# Altium PCB RCJ22_motherboard_2_final.PcbDoc (part 2 of 4) (continued)
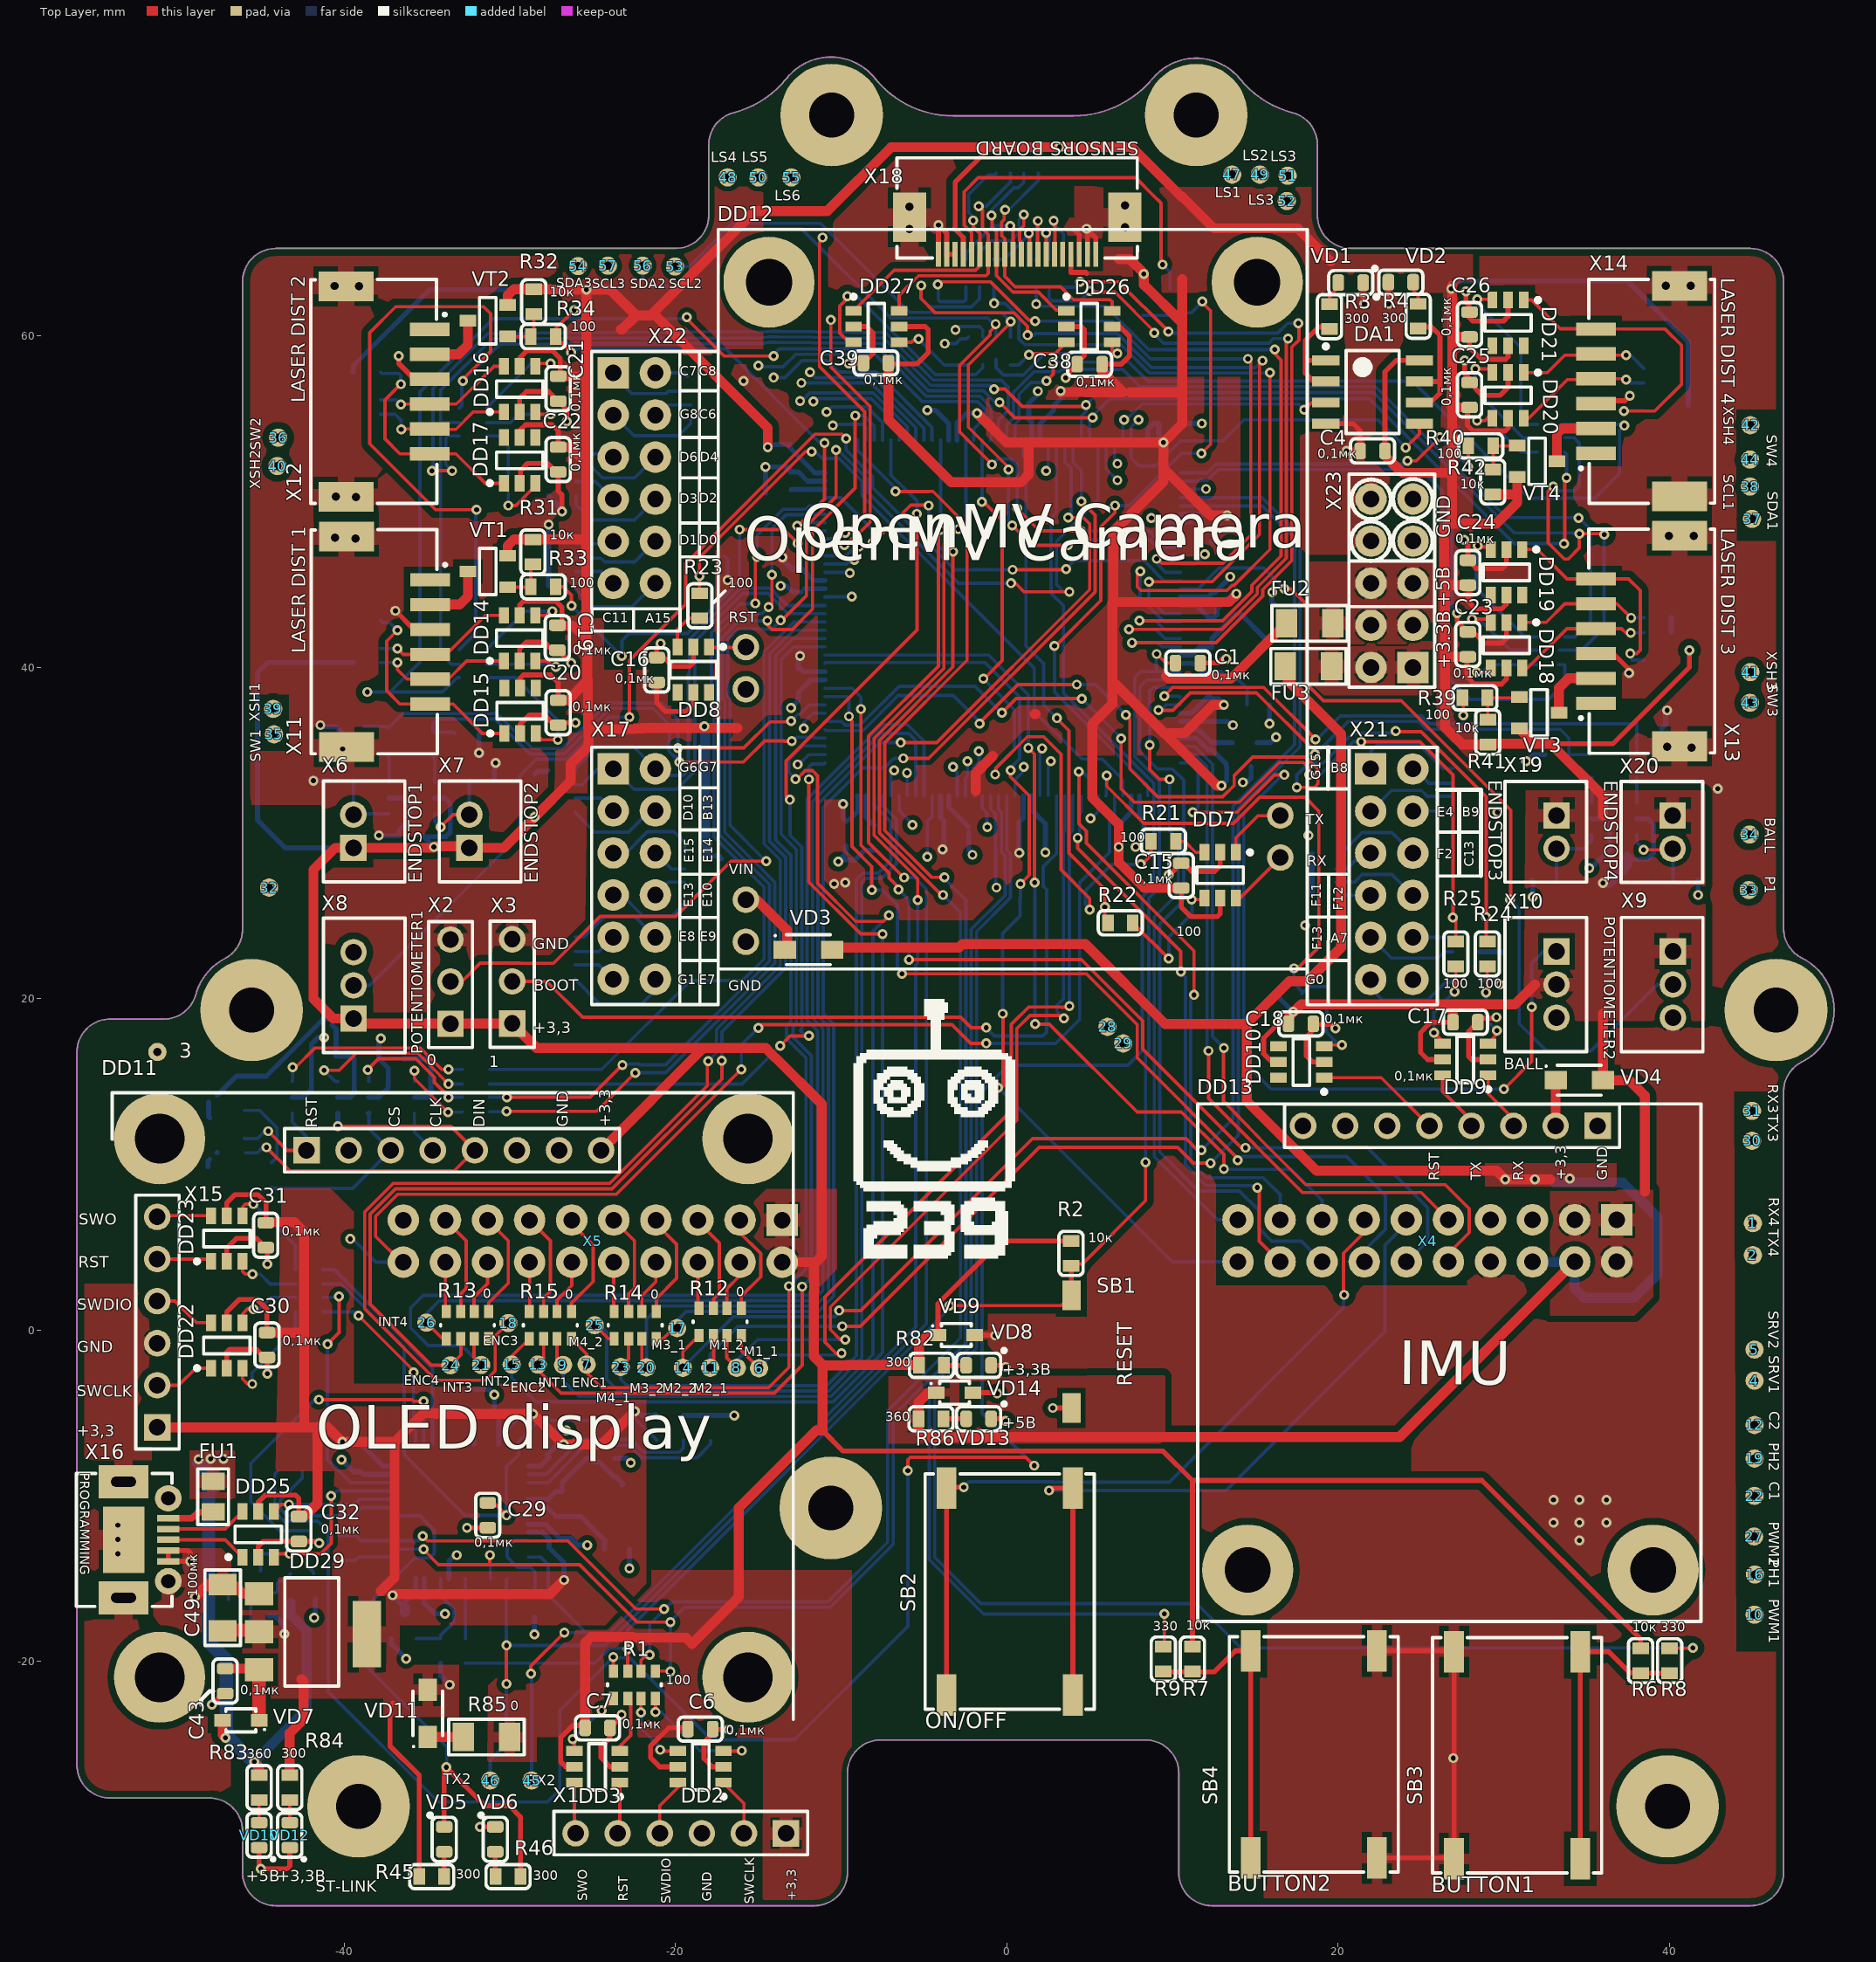
[diagram p0: Top Layer view]
## Nets (pads, with @x,y where several pads share a name; then routed paths per layer and width w, separated by ;. In a path a pad name is that pad's centre, name@x,y a point inside that pad or via, vN(x,y) a via of type N, cw(c..) or ccw(c..) an arc to the next point about the centre after c; other vN are vias at no path point) (continued)
  other v1: 26.95,-25.825 -53.65,-13.5 34.553,-12.698 -53.65,-12.625 -53.65,-11.775 32.992,-11.62 34.553,-11.62 36.19,-11.62 32.992,-10.248 34.553,-10.248 36.19,-10.248 29.768,20.85 17.999,24.417 18.206,29.85 29.6,31.244 42.9,32.675 14.25,33.05 -40.083,35.07 16.243,35.775 15.85,36.588 -15.894,57.275
  other v2: 41.325,35.15 39.85,35.2 -39.3,47.773 -40.55,47.802 39.95,47.925 41.45,47.925 -39.275,50.273 -40.5,50.3 -39.1,62.975 -40.575,63 39.775,63.025 41.275,63.025 -5.875,66.435 7.125,66.533 -5.875,67.785 7.125,67.85
MCU_BALL_DISTANCE: 34.1 DD1.36 X10.1 | length 70.8
  Top Layer w0.2: v1(11.226,31.244) 13.893,31.244 16.149,33.5 v1(16.75,33.5) ; v1(30,14.539) 31.675,16.214 v1(31.675,19.5)
  Signal Layer 1 w0.2: X10.1@33.175,22.85 35.375,25.05 41.375,25.05 44.825,28.5 34.1@44.825,29.9
  Bottom Layer w0.2: DD1.36@10.475,34.225 11.325,34.225 11.541,34.009 11.541,31.559 v1(11.226,31.244) ; v1(16.75,33.5) 16.675,33.5 16.65,33.525 14.3,31.175 14.3,16.2 15.961,14.539 v1(30,14.539) ; v1(31.675,19.5) 31.675,22.125 32.4,22.85 X10.1@33.175,22.85
MCU_BOOT0: DD1.138 X2.2 | length 80.7
  Top Layer w0.2: X2.2@-33.575,21.025 -32.9,21.025 -31.785,22.14 -29.394,22.14 -29.379,22.125 -27.375,22.125 -24.54,24.96 -19.981,24.96 -16.645,28.297 v1(-14.523,28.297) ; v1(-13.65,42.825) -13.578,42.825 -12.1,44.303 -12.1,48.5 -10.299,50.301 v1(-10.301,53.113) v1(-10.301,53.113) ; v1(0.25,45.065) 0.387,45.202 1.039,44.55 v1(3.775,44.55)
  Bottom Layer w0.2: v1(-14.523,28.297) -14.547,28.297 -16.7,30.45 -16.7,38.065 -16.849,38.214 -16.849,41.666 -16.205,42.31 -14.701,42.31 -14.668,42.277 -14.233,42.277 -14.2,42.31 -14.165,42.31 v1(-13.65,42.825) ; v1(-10.301,53.113) -10.192,53.113 -9.992,52.913 -9.986,52.913 -8.425,51.352 -8.425,50.58 -2.91,45.065 v1(0.25,45.065) ; v1(3.775,44.55) 3.425,44.55 3,44.975 3,47.583 5.5,50.083 DD1.138@5.5,53.7
MCU_BOOT1: DD1.48 X3.2 | length 48.4
  Top Layer w0.2: X3.2@-29.85,21.04 -27.765,21.04 -25.601,18.876 -2.776,18.876 -2.15,18.25 v1(-1.25,18.25)
  Bottom Layer w0.2: v1(-1.25,18.25) -0.75,17.75 2.175,17.75 2.4,17.975 2.4,26.582 2.2,26.783 2.2,27.958 3,28.758 DD1.48@3,32.25
MCU_BTN1: DD1.54 R8.2 | length 97.4
  Top Layer w0.2: R8.2@40,-19.2 41.375,-19.2 v1(41.4,-19.175)
  Bottom Layer w0.2: DD1.54@0,32.25 0,28.983 0.225,28.758 0.225,26.1 -1.825,24.05 -1.825,-1.085 -4.35,-3.61 -4.35,-13.715 -1.565,-16.5 11.45,-16.5 14.125,-19.175 v1(41.4,-19.175)
MCU_BTN2: DD1.55 R9.2 | length 65.7
  Top Layer w0.2: R9.2@9.45,-19.1 9.5,-19.05 v1(9.5,-17.125)
  Bottom Layer w0.2: DD1.55@-0.5,32.25 -0.5,31.413 -0.325,31.238 -0.325,30.252 -0.325,28.848 -0.1,28.623 -0.1,26.235 -2.15,24.185 -2.15,-0.935 -4.675,-3.46 -4.675,-13.85 -1.4,-17.125 v1(9.5,-17.125)
MCU_CAMERA_RST: DD1.40 R18.1 R23.1 | length 42.8
  Top Layer w0.2: R23.1@-18.525,44.45 -18.55,44.475 v1(-18.55,45.5) -18.55,46.617 -12.167,53 v1(-11.775,53)
  Bottom Layer w0.2: v1(-18.55,45.5) R18.1@-18.55,46.7 ; v1(-11.775,53) -11.55,53 -11.138,52.588 -10.121,52.588 -8.75,51.217 -8.75,50.351 1.65,39.951 1.65,37.35 4.541,34.459 5.759,34.459 7,33.217 DD1.40@7,32.25
MCU_CURRENT1: 22.1 DD1.27 X4.19 | length 80.6
  Top Layer w0.2: v1(8.625,35.3) 8.625,33.825 9.216,33.235 v1(9.825,33.235)
  Signal Layer 1 w0.2: X4.19@13.951,6.659 15.225,5.385 15.225,-0.65 19.25,-4.675 39.8,-4.675 22.1@45.125,-10
  Bottom Layer w0.2: v1(8.625,35.3) 8.625,38.5 8.6,38.525 8.852,38.777 10.423,38.777 DD1.27@10.475,38.725 DD1.27@11.08,38.725 ; v1(9.825,33.235) 9.825,30.149 10.35,29.624 10.35,26.372 8.9,24.922 8.9,10.475 12.716,6.659 X4.19@13.951,6.659
MCU_CURRENT2: 12.1 DD1.26 X4.16 | length 79.2
  Signal Layer 1 w0.2: X4.16@19.031,4.119 19.031,-0.806 22.25,-4.025 43.425,-4.025 12.1@45.125,-5.725
  Bottom Layer w0.2: DD1.26@10.475,39.225 8.425,39.225 8.035,38.835 8.035,34.905 9.089,33.85 10,33.85 10.675,33.175 10.675,26.238 10.625,26.187 10.625,25.892 9.225,24.492 9.225,10.75 11.575,8.4 14.029,8.4 15.201,7.228 15.201,6.149 15.981,5.369 17.781,5.369 X4.16@19.031,4.119
MCU_ENDSTOP1: C11.2 DD1.80 R16.2 | length 33.4
  Top Layer w0.2: v1(-19.854,35.125) -15.873,35.125 -14.298,36.7 -13.073,36.7 v1(-13.023,36.75)
  Bottom Layer w0.2: C11.2@-38.8,36.427 -37.475,36.427 -37.325,36.325 -36.45,37.2 -30.751,37.2 -28.64,35.089 -26.836,35.089 -24.087,37.838 -20.838,37.838 -19.854,36.854 v1(-19.854,35.125) ; v1(-13.023,36.75) -13.016,36.75 -12.595,37.171 -12.454,37.171 -11.9,37.725 DD1.80@-10.975,37.725
MCU_ENDSTOP2: C12.2 DD1.76 R17.2 | length 30.7
  Top Layer w0.2: v1(-19.76,34.275) -15.894,34.275 -14.618,35.552 -13.464,35.552 -13.435,35.523 -12.986,35.523 v1(-12.975,35.534)
  Bottom Layer w0.2: C12.2@-33.3,36 -33.375,36.075 R17.2@-34.625,36.075 -34.625,36.6 -34.35,36.875 -30.886,36.875 -28.775,34.764 -26.701,34.764 -23.953,37.513 -21.362,37.513 -20.362,36.512 -20.362,35.359 -20.379,35.342 -20.379,34.908 -20.071,34.6 -19.925,34.6 -19.76,34.435 v1(-19.76,34.275) ; v1(-12.975,35.534) -12.9,35.534 -12.658,35.777 -11.629,35.777 -11.577,35.725 DD1.76@-10.975,35.725
MCU_ENDSTOP3: C40.2 DD1.29 R72.2 | length 31.9
  Top Layer w0.2: v1(9.15,37.402) 10.027,37.402 11.075,38.45 15.065,38.45 18.6,34.915 v1(18.6,34.75)
  Bottom Layer w0.2: v1(9.15,37.402) 9.294,37.402 9.617,37.725 DD1.29@10.475,37.725 ; v1(18.6,34.75) 19.025,35.175 19.05,35.175 20.6,36.725 24.85,36.725 25.325,36.25 33.401,36.25 33.925,35.726 33.925,34.775 C40.2@33.975,34.725 35.175,34.725 R72.2@35.3,34.85
MCU_ENDSTOP4: C41.2 DD1.28 R73.2 | length 33.6
  Top Layer w0.2: v1(9.5,38.252) 10.024,38.775 15.504,38.775 v1(18.629,35.65)
  Bottom Layer w0.2: v1(9.5,38.252) 10.35,38.252 10.426,38.176 DD1.28@10.475,38.225 ; v1(18.629,35.65) 18.725,35.65 20.125,37.05 25.025,37.05 25.5,36.575 38.025,36.575 R73.2@38.025,34.85
MCU_GYRO_RST: DD1.42 R19.1 R26.1 | length 30.2
  Top Layer w0.2: v1(6.025,33.45) 6.025,32.825 8.275,30.575 13.684,30.575 15.259,32.15 18,32.15 18.825,31.325 18.825,23.819 18.851,23.794 18.851,23.126 17.551,21.826 v1(17.326,21.826)
  Bottom Layer w0.2: DD1.42@5.975,32.225 DD1.42@6,32.25 6,33.425 v1(6.025,33.45) ; v1(17.326,21.826) 17.326,20.924 R19.1@17.875,20.375 ; R19.1@17.8,20.3 R19.1@17.875,20.375 ; R26.1@19.325,20.725 18.225,20.725 R19.1@17.875,20.375
MCU_I2C1_LASER_SCL: 38.1 DD1.136 R35.7 R36.7 R37.7 R38.7 | length 131.5
  Top Layer w0.2: v1(-0.775,56.778) -0.118,56.778 0.935,55.725 4.675,55.725 v1(4.775,55.825) ; v1(32.975,50.9) 32.675,50.6 32.675,47.5 33.65,46.525 33.883,46.525 34.55,47.192 v1(34.55,48.05) 36,48.05 v1(36.05,48)
  Signal Layer 1 w0.2: v1(32.975,50.9) 33.022,50.9 33.777,50.145 43.38,50.145 44.135,50.9 38.1@44.85,50.9
  Bottom Layer w0.2: R35.7@-33.05,40.175 -33.525,40.175 -34.175,40.825 -34.175,54.75 ; R36.7@-33.05,54.75 -34.175,54.75 ; v1(-0.775,56.778) -0.997,57 -1.681,57 -4.176,57 -4.179,57.003 -4.591,57.003 -7.38,59.791 -7.438,59.85 -13.788,59.93 -14.163,59.93 cw(c-14.35,63.225) -14.363,59.925 -14.392,59.925 -14.909,59.85 -26.627,59.85 -31.084,59.791 -34.175,56.7 -34.175,54.75 ; DD1.136@4.5,53.7 4.5,55.15 4.775,55.425 v1(4.775,55.825) 5.525,56.575 22.135,56.575 30.61,48.1 34.15,48.1 34.2,48.05 v1(34.55,48.05) ; v1(32.975,50.9) 33.235,50.64 34.255,50.64 34.55,50.935 34.55,53.525 34.225,53.85 R38.7@33.675,53.85 ; R37.7@33.35,41.025 R37.7@33.675,41.025 34.7,41.025 36.05,42.375 v1(36.05,48)
MCU_I2C1_LASER_SDA: 37.1 DD1.137 R35.8 R36.8 R37.8 R38.8 | length 153
  Top Layer w0.2: v1(-32.825,57.275) -32.825,57.375 -31.15,59.05 -31.15,61.325 -31.575,61.75 -36.881,61.75 -38.45,60.181 -38.45,53.475 -34.475,49.5 v1(-32,49.5) ; v1(-0.44,55.978) 0.487,55.05 v1(5.175,55.05) ; v1(33.625,47.451) 33.677,47.502 33.677,51.175 33.7,51.198 33.7,51.348 v1(33.777,51.425)
  Signal Layer 1 w0.2: v1(33.625,47.451) 34.851,46.225 42.256,46.225 37.1@44.975,48.944
  Bottom Layer w0.2: R35.8@-33.05,41.05 -32.05,42.05 v1@-32.05,49.5 ; R36.8@-33.05,55.625 -32.9,55.775 v1@-32.9,57.275 ; v1(-32.825,57.275) -30.634,59.466 -26.518,59.5 -26.517,59.5 -26.142,59.5 -26.117,59.525 -16.602,59.525 -14.792,59.525 -14.756,59.528 -14.363,59.6 ccw(c-14.35,63.225) -14.154,59.605 -13.923,59.605 -7.573,59.525 -7.515,59.466 -4.726,56.678 -4.313,56.678 -4.311,56.675 -1.815,56.675 -1.415,56.675 -0.717,55.978 v1(-0.44,55.978) ; DD1.137@5,53.7 5,54.975 6.225,56.2 21.867,56.2 30.617,47.451 v1(33.625,47.451) ; 26.85,51.123 26.85,43.667 26.65,43.467 26.65,39.35 27.95,38.05 32.7,38.05 33.675,39.025 R37.8@33.675,40.15 R37.8@33.3,40.15 ; R38.8@33.675,52.975 33.777,52.873 v1(33.777,51.425)
MCU_I2C2_COLOR_SCL: 53.1 DD1.11 R70.4 | length 50.2
  Top Layer w0.2: v1@0.1,52.078 0.072,52.078 -2.325,54.475 -2.325,58.225 0.225,60.775 v1(0.225,60.85) ; v1(0.325,48.55) 1.525,47.35 v1(3.675,47.35)
  Bottom Layer w0.2: 53.1@-20.025,64.175 -19.167,64.175 -16.567,66.776 -11.233,66.776 -5.865,61.408 -0.333,61.408 v1(0.225,60.85) R70.4@0.225,59.925 ; v1(0.1,51.928) 0.1,48.775 v1(0.325,48.55) ; v1(3.675,47.35) 4,47.675 8.655,47.675 9.35,46.98 9.35,46.975 9.6,46.725 DD1.11@10.475,46.725
MCU_I2C2_COLOR_SDA: 56.1 DD1.10 R70.3 | length 52.3
  Top Layer w0.2: v1@-0.875,52.225 -2.85,54.2 -2.85,58.2 -1.005,60.045 -1.005,60.265 -0.675,60.596 v1(-0.675,60.704) ; v1(0.625,49.575) 1.975,48.225 v1(4.475,48.225)
  Bottom Layer w0.2: 56.1@-21.975,64.225 -21.974,64.224 -21.974,63.492 -21.45,62.968 -19.647,62.968 -16.164,66.451 -12.393,66.451 -7.006,61.063 -1.143,61.063 -0.783,60.704 v1(-0.675,60.704) -0.663,60.692 -0.663,59.938 R70.3@-0.65,59.925 ; v1(-0.9,52.225) -0.55,52.575 0.225,52.575 0.625,52.175 v1(0.625,49.575) ; v1(4.475,48.225) 8.566,48.225 9.566,47.225 DD1.10@10.475,47.225
MCU_I2C3_COLOR_SCL: 57.1 DD1.100 R70.2 | length 48.8
  Top Layer w0.2: v1(-11.125,65.925) -11.125,65.817 -11.3,65.642 -11.3,58.133 -8.575,55.408 -8.575,49.225 -9.704,48.096 v1(-9.75,48.096)
  Signal Layer 1 w0.2: 57.1@-23.825,64.225 -22.278,62.678 -19.672,62.678 -15.722,66.628 -11.828,66.628 v1(-11.125,65.925) -6.179,60.979 -3.742,60.979 -3.113,60.35 v1(-3.1,60.35)
  Bottom Layer w0.2: DD1.100@-10.975,47.725 -10.956,47.744 -10.211,47.744 -9.859,48.096 v1(-9.75,48.096) ; v1(-3.1,60.35) -3.1,60.45 -3,60.55 -1.65,60.55 -1.45,60.35 R70.2@-1.45,59.925
MCU_I2C3_COLOR_SDA: 54.1 DD1.99 R70.1 | length 43.3
  Top Layer w0.2: v1(-10.622,60.95) -10.622,58.104 -8.25,55.733 -8.25,48.75 -8.958,48.042 -9.063,48.042 -9.741,47.364 v1(-9.799,47.364)
  Signal Layer 1 w0.2: 54.1@-25.625,64.2 -25.3,64.2 -21.391,60.291 -14.368,60.25 ccw(c-14.35,63.225) -14.172,60.255 -13.654,60.255 -10.49,60.175 -9.925,60.175 ; v1(-10.622,60.95) -10.622,60.872 -9.925,60.175 ; v1(-3.75,59.525) -4.15,59.125 -7.725,59.125 -8.775,60.175 -9.925,60.175
  Bottom Layer w0.2: DD1.99@-10.975,47.225 -10.956,47.244 -10.027,47.244 -9.907,47.364 v1(-9.799,47.364) ; v1(-3.75,59.525) -3.076,59.525 -2.783,59.818 -2.432,59.818 R70.1@-2.325,59.925
MCU_LASER1_SWITCH: 35.1 DD1.101 R33.2 | length 47.5
  Top Layer w0.2: R33.2@-27.225,44.85 -26.775,44.85 -26.275,44.35 v1(-26.275,43.7) ; v1(-16.125,48.3) -13.448,48.3 v1(-12.625,47.477)
  Signal Layer 1 w0.2: 35.1@-44.225,35.95 -42.96,35.95 -41.375,37.535 -26.373,37.535 v1(-23.232,40.675)
  Bottom Layer w0.2: v1(-26.275,43.7) -23.25,40.675 v1(-23.232,40.675) -23.232,41.593 -22.8,42.025 -19.275,42.025 -16.087,45.213 -16.125,45.25 v1(-16.125,48.3) ; v1(-12.625,47.477) -11.877,48.225 DD1.101@-10.975,48.225
MCU_LASER1_XSHUT: 39.1 DD1.125 R35.6 | length 71.7
  Top Layer w0.2: v1(-19.31,61.115) -19.31,61.032 -17.054,58.775 v1(-14.071,58.775)
  Signal Layer 1 w0.2: 39.1@-44.125,37.504 -43.129,38.5 v1(-38.6,38.5)
  Bottom Layer w0.2: v1(-38.6,38.5) -37.225,38.5 ; R35.6@-33.05,39.375 -33.168,39.375 -34.043,38.5 -37.225,38.5 ; v1(-19.31,61.115) -19.4,61.025 -31,61.025 -35.425,56.6 -35.425,40.3 -37.225,38.5 ; v1(-14.071,58.775) -14.071,58.867 -13.738,59.2 -7.708,59.2 -4.86,56.353 -4.448,56.353 -4.445,56.35 -1.623,56.35 -0.95,55.677 -0.95,53.75 DD1.125@-1,53.7
MCU_LASER2_SWITCH: 36.1 DD1.102 R34.2 | length 50.7
  Top Layer w0.2: v1(-26.3,58.975) -26.3,59.025 R34.2@-27.225,59.95 -27.225,60.429 v1(-26.101,61.553) ; v1(-12.651,48.527) -12.651,48.501 -11,50.15 ; -11,50.151 v1(-11,53.534)
  Signal Layer 1 w0.2: 36.1@-43.975,53.849 -43.975,55.575 -37.997,61.553 v1(-26.101,61.553)
  Bottom Layer w0.2: v1(-26.3,58.975) -26.208,58.975 -25.983,59.2 -16.957,59.2 -11.368,53.611 -11.077,53.611 v1(-11,53.534) ; v1(-12.651,48.527) -12.523,48.527 -12.325,48.725 DD1.102@-10.975,48.725
MCU_LASER2_XSHUT: 40.1 DD1.126 R36.6 | length 59.5
  Top Layer w0.2: 40.1@-44.025,52.135 40.1@-43.74,51.85 ; v1(-34.7,51.85) v1(-33.475,51.85)
  Signal Layer 1 w0.2: 40.1@-43.74,51.85 v1(-34.7,51.85)
  Bottom Layer w0.2: v1(-34.7,51.85) -34.625,51.925 -34.625,56.825 -31.334,60.116 -26.762,60.175 -14.527,60.25 -14.363,60.25 ccw(c-14.35,63.225) -14.172,60.255 -13.654,60.255 -7.304,60.175 -7.245,60.116 -4.457,57.328 -4.044,57.328 -4.041,57.325 -1.546,57.325 -0.863,57.325 -0.84,57.303 -0.328,57.303 0.085,56.89 0.085,55.489 -0.5,54.905 DD1.126@-0.5,53.7 ; v1(-33.475,51.85) -33.85,52.225 -33.85,53.833 -33.733,53.95 R36.6@-33.05,53.95
MCU_LASER3_SWITCH: 43.1 DD1.2 R39.2 | length 49.7
  Top Layer w0.2: R39.2@27.5,38.15 27.55,38.1 v1(27.55,37.1)
  Signal Layer 1 w0.2: v1(27.55,37.1) 28.7,38.25 44.283,38.25 44.683,37.85 43.1@44.85,37.85
  Bottom Layer w0.2: DD1.2@10.5,51.25 10.525,51.225 11.568,51.225 11.618,51.275 12.11,51.275 12.76,51.925 24.392,51.925 24.395,51.928 24.988,51.928 26.275,50.64 26.275,38.375 v1(27.55,37.1)
MCU_LASER3_XSHUT: 41.1 DD1.127 R37.6 | length 69.2
  Signal Layer 1 w0.2: v1(34.505,48.996) 34.476,49.025 33.433,49.025 32.479,48.071 32.479,46.807 34.785,44.5 40.475,44.5 44.703,40.272 44.703,39.872 41.1@44.875,39.7
  Bottom Layer w0.2: DD1.127@0,53.7 0,54.622 0.41,55.032 0.41,56.585 1.65,57.825 3.183,57.825 3.333,57.975 6.985,57.975 8.032,56.928 22.241,56.928 30.144,49.025 34.476,49.025 v1(34.505,48.996) ; R37.6@33.675,41.825 34.275,41.825 35.225,42.775 35.225,48.317 v1@34.526,49.016
MCU_LASER4_SWITCH: 44.1 DD1.1 R40.2 | length 37.5
  Top Layer w0.2: v1(24.175,52.45) 24.725,52.45 26.125,53.85 v1(26.125,53.875) ; v1(27.85,52.075) R40.2@27.85,53.35
  Signal Layer 1 w0.2: v1(27.85,52.075) 28.3,52.525 44.1@44.85,52.525
  Bottom Layer w0.2: DD1.1@10.475,51.725 12.1,51.725 12.625,52.25 23.975,52.25 v1(24.175,52.45) ; v1(26.125,53.875) 27.85,52.15 v1(27.85,52.075)
MCU_LASER4_XSHUT: 42.1 DD1.128 R38.6 | length 59.5
  Top Layer w0.2: v1(2.4,57.278) 2.8,57.678 v1(2.8,58.403)
  Signal Layer 1 w0.2: v1@37.325,54.6 42.1@44.875,54.6
  Bottom Layer w0.2: DD1.128@0.5,53.7 0.5,54.662 0.735,54.897 0.735,56.45 1.46,57.175 2.503,57.175 v1(2.4,57.278) ; v1(2.8,58.403) 7.365,58.403 8.516,57.253 24.472,57.253 31.525,50.2 35.485,50.2 36.975,51.69 36.975,54.275 v1(37.275,54.575) ; R38.6@33.482,54.65 R38.6@33.675,54.65 37.275,54.65 v1@37.325,54.6 ; 42.1@44.875,54.6 42.1@45.375,54.6
MCU_LED1: DA1.3 DD1.141 | length 14.2
  Top Layer w0.2: v1(17.95,55.525) 18.39,55.965 DA1.3@19.25,55.965
  Bottom Layer w0.2: DD1.141@7,53.7 7,54.85 v1(7.075,54.925) 7.208,54.925 8.158,55.875 17.6,55.875 v1(17.95,55.525)
MCU_LED2: DA1.5 DD1.142 | length 22.9
  Top Layer w0.2: v1(24.075,53.25) 24.9,54.075 DA1.5@24.9,54.695
  Bottom Layer w0.2: v1(7.95,54.925) 7.925,54.925 7.5,54.5 DD1.142@7.5,53.7 7.5,52.608 7.958,52.15 8.978,52.15 10.491,53.663 13.056,53.663 14.318,54.925 22.4,54.925 v1(24.075,53.25)
MCU_LIGHT_SENSOR1: 47.1 DD1.22 R65.1 | length 57.6
  Top Layer w0.2: v1(4.417,63.245) 6.758,63.245 v1(9.75,60.253) ; v1(7.55,41.475) 12.621,41.475 15.44,44.293 15.44,44.677 17.2,46.437 17.2,59.308 17.626,59.733 17.626,60.724 v1(17.6,60.75)
  Signal Layer 1 w0.2: v1(4.417,63.245) 4.494,63.322 5.497,63.322 11.775,69.6 13.179,69.6 47.1@13.4,69.379
  Bottom Layer w0.2: R65.1@3.425,62.925 4.097,62.925 v1(4.417,63.245) ; v1(7.55,41.475) 9.1,41.475 9.35,41.225 DD1.22@10.475,41.225 ; v1(9.75,60.253) 9.853,60.15 16.348,60.15 16.948,60.75 v1(17.6,60.75) v1@17.6,60.525 ; 47.1@13.4,69.379 47.1@13.4,69.772
MCU_LIGHT_SENSOR2: 49.1 DD1.21 R65.2 | length 58.3
  Top Layer w0.2: v1(5,62.697) 5.072,62.625 6.525,62.625 8.9,60.25 v1(8.9,60.175) ; v1(7.375,42.277) 12.964,42.277 15.115,44.428 15.115,44.811 16.875,46.572 16.875,59.725 v1(16.975,59.825)
  Signal Layer 1 w0.2: v1(5,62.697) 5.012,62.709 5.436,62.709 11.302,68.575 14.228,68.575 49.1@15.095,69.442
  Bottom Layer w0.2: R65.2@2.55,62.925 2.55,62.275 2.725,62.1 4.425,62.1 5,62.675 v1(5,62.697) ; v1(7.375,42.277) 8.998,42.277 9.55,41.725 DD1.21@10.475,41.725 ; v1(8.9,60.175) 8.9,60.1 9.45,59.55 15.808,59.55 16.083,59.825 v1(16.975,59.825) ; 49.1@15.095,69.442 49.1@15.095,69.772
MCU_LIGHT_SENSOR3: 51.1 DD1.20 R65.3 | length 60.7
  Top Layer w0.2: v1(8,42.802) 13.029,42.802 14.79,44.563 14.79,44.946 16.55,46.706 16.55,58.525 16.175,58.9 v1(16.175,59.175)
  Signal Layer 1 w0.2: v1@1.9,61.775 5.125,61.775 11.075,67.725 15.138,67.725 51.1@16.849,69.436
  Bottom Layer w0.2: R65.3@1.75,62.925 1.775,62.9 v1(1.775,61.9) 1.9,61.775 5.95,61.775 8.575,59.15 16.15,59.15 v1(16.175,59.175) ; v1(8,42.802) 8.983,42.802 9.56,42.225 DD1.20@10.475,42.225 ; 51.1@16.849,69.436 51.1@16.849,69.7
MCU_LIGHT_SENSOR4: 48.1 DD1.19 R66.1 | length 64.9
  Top Layer w0.2: v1(8.05,45.785) 7.875,45.61 7.875,44.853 8.103,44.625 13.283,44.625 13.588,44.931 13.701,44.931 15.876,47.106 v1(15.876,57.778)
  Signal Layer 1 w0.2: 48.1@-16.85,69.55 -15.085,67.785 -11.272,67.785 -5.862,62.375 -1.2,62.375 v1(-0.775,61.95) ; v1@15.876,57.751 v1(15.876,57.778)
  Bottom Layer w0.2: R66.1@-0.775,62.95 v1(-0.775,61.95) -0.1,61.95 0.725,61.125 0.725,61.092 0.75,61.067 0.75,60.633 0.725,60.608 0.725,59.81 1.083,59.453 6.893,59.453 8.596,57.75 v1@15.875,57.75 ; v1(8.05,45.785) 8.05,44.2 9.525,42.725 DD1.19@10.475,42.725
MCU_LIGHT_SENSOR5: 50.1 DD1.18 R66.2 | length 63.4
  Top Layer w0.2: v1(-5.175,63.025) -5.175,62.245 -4.305,61.375 0.442,61.375 1.25,60.567 v1(1.25,60.028) ; v1(8.575,45.15) 12.384,45.15 15.25,48.016 15.25,58.319 v1(15.424,58.493)
  Signal Layer 1 w0.2: 50.1@-15,69.55 -13.85,68.4 -10.4,68.4 -5.324,63.324 -5.324,63.282 -5.175,63.133 v1(-5.175,63.025)
  Bottom Layer w0.2: v1(-5.175,63.025) -5.175,62.245 -4.663,61.733 -2.14,61.733 -1.65,62.223 R66.2@-1.65,62.95 ; v1(1.25,60.028) 1.622,60.028 1.625,60.025 1.725,60.125 6.68,60.125 8.73,58.075 15.006,58.075 v1(15.424,58.493) ; v1(8.575,45.15) 8.575,44.175 9.525,43.225 DD1.18@10.475,43.225
MCU_LIGHT_SENSOR6: 55.1 DD1.13 R66.3 | length 54.9
  Top Layer w0.2: v1(-4.161,63.095) -4.053,63.095 -3.903,63.245 -0.968,63.245 1.325,60.952 1.626,60.952 v1(1.7,60.878) ; v1(9.044,46.538) 9.106,46.538 9.364,46.28 13.055,46.28 14.725,47.95 14.725,58.425 v1(14.55,58.6)
  Signal Layer 1 w0.2: 55.1@-13,69.55 -10.466,69.55 -4.238,63.322 -4.238,63.172 v1(-4.161,63.095)
  Bottom Layer w0.2: v1(-4.161,63.095) -4.139,63.072 -4.139,62.175 -4.022,62.058 -2.587,62.058 -2.47,62.175 -2.47,62.93 R66.3@-2.45,62.95 ; v1(1.7,60.878) 6.387,60.878 8.665,58.6 v1(14.55,58.6) ; v1(9.044,46.538) 9.121,46.462 9.121,46.189 9.585,45.725 DD1.13@10.475,45.725
MCU_MOTOR1_ENC: 7.1 DD1.88 R15.8 | length 63.3
  Top Layer w0.2: R15.8@-26.275,-0.525 -25.356,-1.444 7.1@-25.356,-2.075 -25.356,-2.569 -24.45,-3.475 -14.375,-3.475 -13.15,-2.25 v1(-13.15,2.65)
  Bottom Layer w0.2: v1(-13.15,2.65) -12.125,3.675 -12.125,16.425 -13.1,17.4 -13.102,17.4 -13.292,17.59 -13.292,18.355 -13.024,18.623 -13.024,28.646 -13.95,29.572 -13.95,40.706 -13.206,41.45 -13.178,41.45 -12.903,41.725 DD1.88@-10.975,41.725
MCU_MOTOR1_ENC_INT: 9.1 DD1.75 R15.7 | length 67.2
  Top Layer w0.2: R15.7@-27.15,-0.525 -27.15,-1.731 9.1@-26.781,-2.1 ; v1(-12.75,33.25) -12.673,33.25 -12.163,33.76 -11.728,33.76 -11.421,33.452 -11.421,26.965 -9.119,24.663 -7.438,24.663 -7.121,24.98 v1(-7.121,25.025)
  Bottom Layer w0.2: 9.1@-26.781,-2.1 -26.781,-3.069 -25.85,-4 -10.61,-4 -8.083,-1.473 -8.083,24.063 v1(-7.121,25.025) ; v1(-12.75,33.25) -13.153,33.653 -13.153,34.42 -12.321,35.252 -11.002,35.252 DD1.75@-10.975,35.225
MCU_MOTOR1_IN1: 6.1 DD1.46 R12.8 | length 49.7
  Top Layer w0.2: R12.8@-16.025,-0.325 -16.025,-1.225 6.1@-14.95,-2.3 ; v1(-9.975,-1.4) -10.3,-1.4 -10.975,-0.725 -10.975,1.99 0.275,13.24 0.275,18.45 1.325,19.5 3.266,19.5 3.284,19.482 3.712,19.482 v1(3.775,19.545)
  Bottom Layer w0.2: 6.1@-14.95,-2.3 -14.15,-1.5 -10.075,-1.5 v1(-9.975,-1.4) ; v1(3.775,19.545) 3.775,29.458 3.75,29.483 3.75,29.917 3.975,30.143 3.975,32.225 DD1.46@4,32.25
MCU_MOTOR1_IN2: 8.1 DD1.47 R12.7 | length 50.7
  Top Layer w0.2: R12.7@-16.9,-0.325 -16.9,-1.675 8.1@-16.3,-2.275 ; v1(-9.75,-0.575) -10.05,-0.575 -10.65,0.025 -10.65,1.397 0.6,12.647 0.6,18.19 1.397,18.986 3.164,18.986 3.332,18.819 v1(3.44,18.819)
  Bottom Layer w0.2: 8.1@-16.3,-2.275 -16.3,-1.825 -15.05,-0.575 v1(-9.75,-0.575) ; v1(3.44,18.819) 3.025,19.234 3.025,19.6 3.425,20 3.425,30.052 3.5,30.127 DD1.47@3.5,32.25
MCU_MOTOR2_ENC: 13.1 DD1.87 R15.6 | length 65.9
  Top Layer w0.2: R15.6@-27.95,-0.525 -27.95,-1.719 13.1@-28.306,-2.075 -28.306,-2.394 -26.9,-3.8 -14.025,-3.8 -12.35,-2.125 v1(-12.35,2.625)
  Bottom Layer w0.2: v1(-12.35,2.625) -11.8,3.175 -11.8,16.56 -12.899,17.659 -12.899,18.288 -12.699,18.488 -12.699,28.999 -13.625,29.925 -13.625,40.45 -12.85,41.225 DD1.87@-10.975,41.225
MCU_MOTOR2_ENC_INT: 15.1 DD1.73 R15.5 | length 66
  Top Layer w0.2: 15.1@-29.881,-2.075 -29.881,-1.581 R15.5@-28.825,-0.525 ; v1(-11.946,33.235) -11.946,27.03 -8.818,23.903 v1(-7.5,23.903)
  Bottom Layer w0.2: 15.1@-29.881,-2.075 -29.881,-2.869 -28.425,-4.325 -10.475,-4.325 -7.5,-1.35 v1(-7.5,23.903) ; v1(-11.946,33.235) -11.946,33.969 -11.761,34.154 -11.046,34.154 DD1.73@-10.975,34.225
MCU_MOTOR2_IN1: 11.1 DD1.4 R12.6 | length 86.9
  Top Layer w0.2: 11.1@-17.9,-2.275 -17.7,-2.075 R12.6@-17.7,-0.325 ; v1(-9.925,0.225) -8.85,0.225 1.95,11.025 10.3,11.025 11.25,10.075 v1(12.3,10.075)
  Bottom Layer w0.2: 11.1@-17.9,-2.275 -17.9,-1.45 -16.225,0.225 v1(-9.925,0.225) ; DD1.4@10.475,50.225 15.406,50.225 17.7,47.931 17.7,35.192 13.975,31.467 13.975,11.75 v1(12.3,10.075)
MCU_MOTOR2_IN2: 14.1 DD1.5 R12.5 | length 86.7
  Top Layer w0.2: 14.1@-19.55,-2.275 -19.55,-1.3 R12.5@-18.575,-0.325 ; v1(-10.125,1.18) -8.82,1.18 1.55,11.55 10.825,11.55 11.525,10.85 v1(11.748,10.85)
  Bottom Layer w0.2: 14.1@-19.55,-2.275 -19.55,-2.25 -16.5,0.8 -10.375,0.8 -10.125,1.05 v1(-10.125,1.18) ; DD1.5@10.475,49.725 15.425,49.725 17.375,47.775 17.375,35.327 13.65,31.602 13.65,12.752 v1(11.748,10.85)
MCU_MOTOR3_ENC: 18.1 DD1.90 R13.8 | length 76
  Top Layer w0.2: R13.8@-31.275,-0.525 R13.8@-31.05,-0.525 ; 18.1@-30.09,0.425 -31.04,-0.525 R13.8@-31.05,-0.525 ; v1@-18.075,16.226 -18.075,14.735 -23.96,8.85 -37.035,8.85 -38.75,7.135 -38.75,1.275 -34.45,-3.025 -31.448,-3.025 -30.875,-2.452 -30.875,-0.7 R13.8@-31.05,-0.525
  Bottom Layer w0.2: v1(-18.026,16.226) -17.525,16.727 -17.525,18.135 -13.674,21.986 -13.674,28.377 -14.649,29.352 -14.649,39.375 -14.65,39.376 -14.65,40.753 -14.649,40.754 -14.649,40.926 -13.475,42.1 -13.448,42.1 -13.14,42.408 -13.14,42.435 -12.85,42.725 DD1.90@-10.975,42.725
MCU_MOTOR3_ENC_INT: 21.1 DD1.64 R13.7 | length 75.8
  Top Layer w0.2: R13.7@-32.15,-0.525 -32.15,-1.675 21.1@-31.725,-2.1 21.1@-31.95,-2.1
  Bottom Layer w0.2: 21.1@-31.725,-2.1 -32.9,-0.925 -34.925,-0.925 -35.987,0.138 -35.987,1.338 -35.225,2.1 -11.835,2.1 -11.421,2.514 -11.421,18.057 -12.049,18.686 -12.049,32.018 -7.529,36.537 -6.003,36.537 -5,35.534 DD1.64@-5,32.25
MCU_MOTOR3_IN1: 17.1 DD1.135 R14.8 | length 73.4
  Top Layer w0.2: R14.8@-21.15,-0.525 -20.75,-0.525 17.1@-19.85,0.375 ; v1(-6.25,34.5) -4.717,34.5 5.325,44.542 5.325,49.175 v1(4.5,50)
  Bottom Layer w0.2: 17.1@-19.9,0.125 -19.9,0.575 -19.35,1.125 -11.375,1.125 -10.446,2.054 -10.446,18.461 -11.074,19.09 -11.074,31.546 -8.695,33.925 -7.4,33.925 -6.85,34.475 -6.783,34.475 -6.758,34.5 v1(-6.25,34.5) ; DD1.135@4,53.7 4,52.35 4.5,51.85 v1(4.5,50)
MCU_MOTOR3_IN2: 20.1 DD1.134 R14.7 | length 78.2
  Top Layer w0.2: R14.7@-22.025,-0.525 -22.025,-1.975 20.1@-21.75,-2.25 ; v1(-6.4,35.45) -4.227,35.45 5,44.677 5,48.642 4.617,49.025 v1(3.7,49.025)
  Bottom Layer w0.2: 20.1@-21.75,-2.25 -21.75,0.65 -20.95,1.45 -12.887,1.45 ; -12.837,1.45 -11.565,1.45 -10.771,2.245 -10.771,18.327 -11.399,18.955 -11.399,31.748 -7.697,35.45 v1(-6.4,35.45) ; DD1.134@3.5,53.7 3.5,52.39 3.875,52.015 3.875,51.66 3.875,50.796 3.874,50.795 3.874,50.79 3.875,50.789 3.875,49.2 v1(3.7,49.025)